# Altium PCB VIA6.2.PcbDoc (continued)
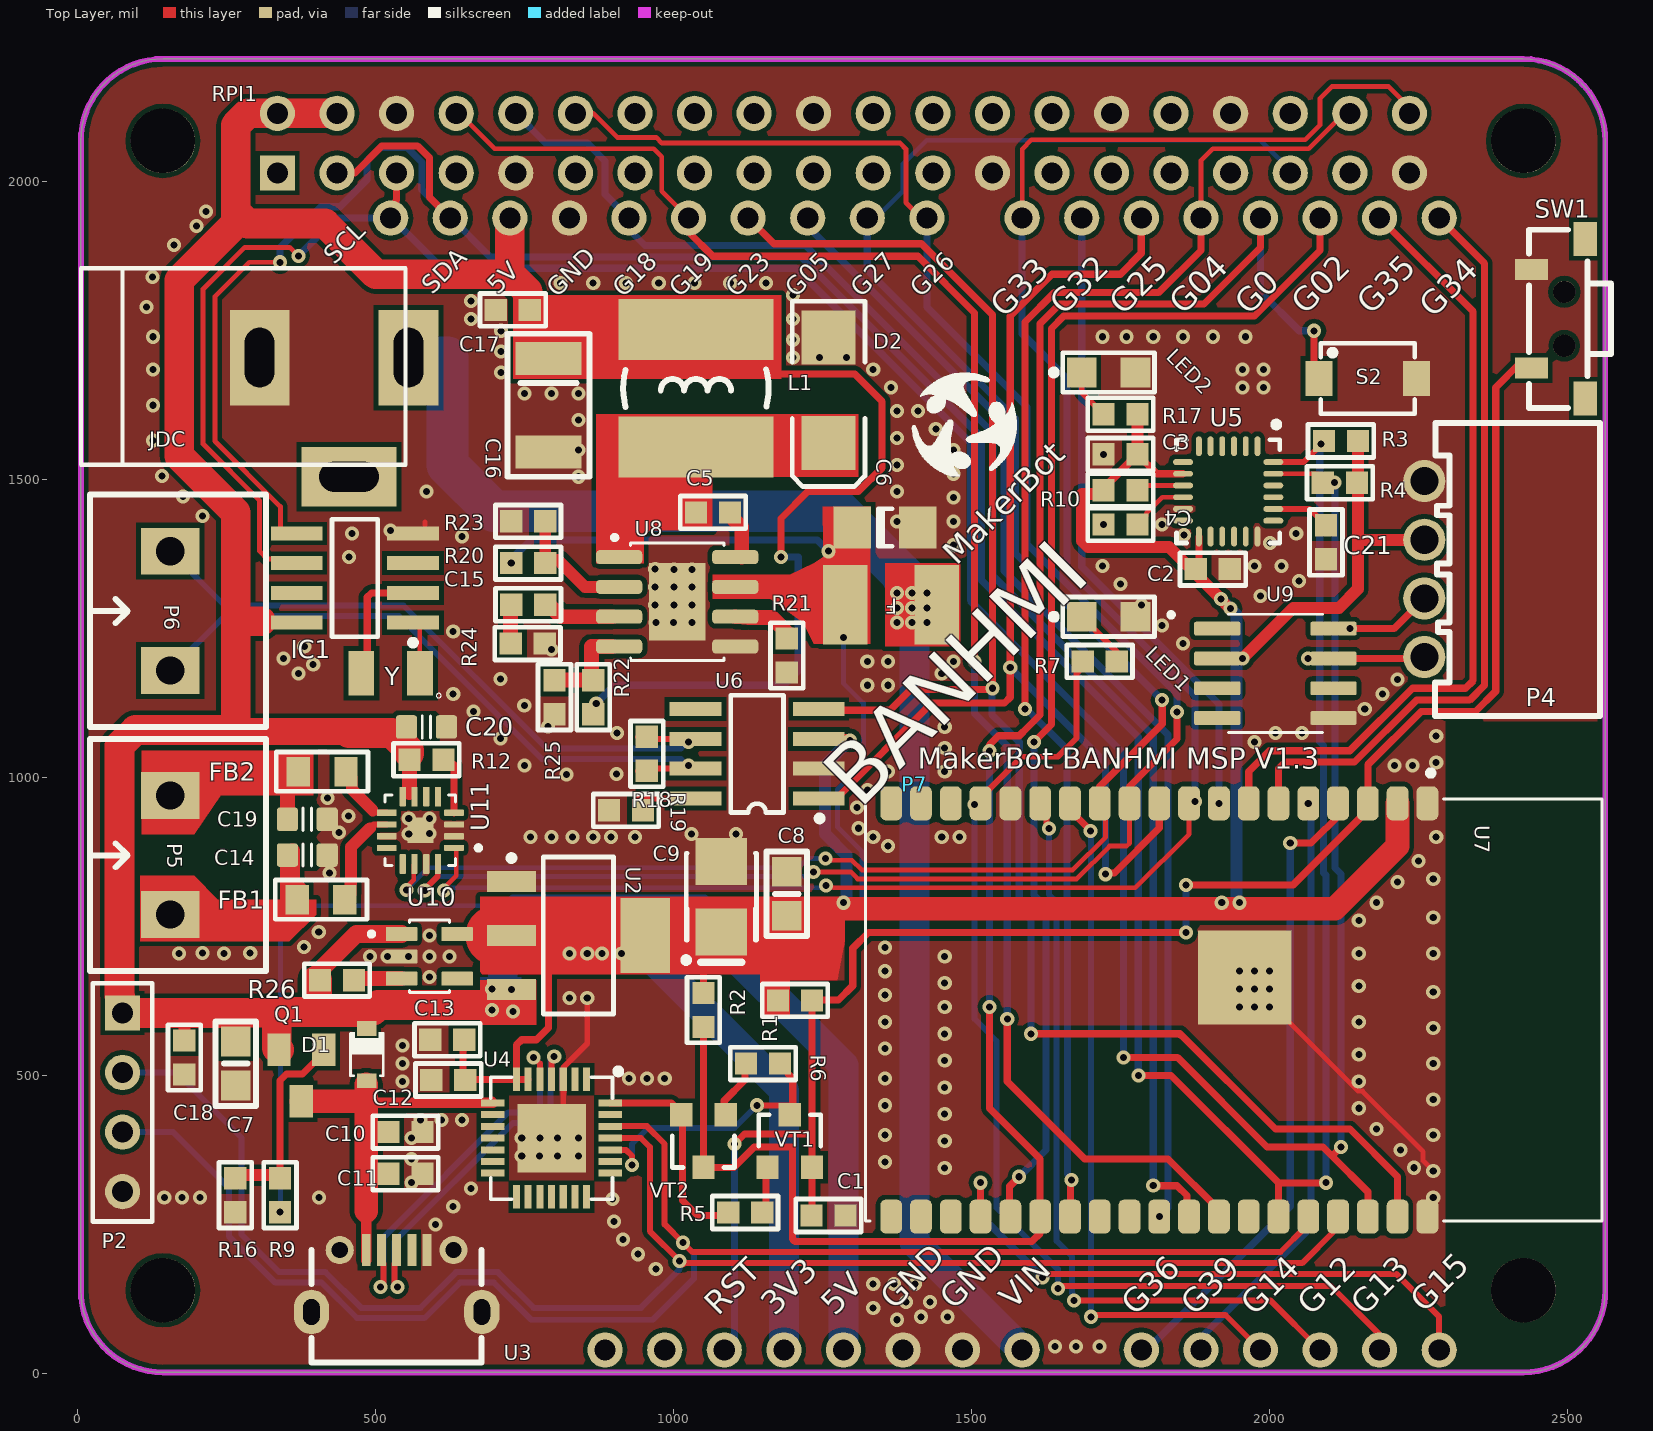
[diagram p0: Top Layer view]
## Part data
C1 C2 C4 C5 C10 C12 C15 C17 C21: library part CAP-SM-0603-X5R-10uF, "CAP SM 0603 X5R 10uF 10%"
C3 C11 C13 C18: library part CAP-SM-0603-X7R-100nF, "CAP SM 0603 X7R 100nF 10%"
C6: "Capacitor"
C7 C8: library part SMT_C_0805, "Surface mount capacitor 0805"
C9: library part SMT_C_Tantalum_B, "Capacitor, SM Tantalum; Body 3.5 x 2.8 mm (LxW typ)"
C14 C19 C20: library part "CAP C_0603", "Capacitor SMD Cer 470nF 10% 16V X7R 0603"
C16: library part "Cap Pol", "Polarized Capacitor (Axial)"
D1: library part SMT_DIODE_SCHOTTKY_SOD_323, "Surface mount schottky diode SOD-323(0805) Package"
D2: library part "D Schottky", "Schottky Diode"
F: "Polymeric PTC Resettable Fuse 13.2V 750mA Ih Surface Mount 1812 _4532 Metric_, Concave"
FB1 FB2: "Resistor SMD 0805"
IC1: "Real Timer Serial"
JDC: library part DCIN, "Jac DC input"
L1: library part Inductor
LED1 LED2: library part LED0805, "LED SMD 0805"
P2 P4: "Header, 4-Pin"
P5 P6: "Header, 2-Pin, Medium"
Q1: "P-Channel 30V 4A _Ta_ 1.4W _Ta_ Surface Mount SOT-23-3"
R1 R2 R3 R4 R5 R6 R9 R10 R16 R18 R19: library part RES-SM-0603-10K, "RES SM 0603 10K"
R7 R12: library part RES-SM-0603-1K, "RES SM 0603 1K"
R17 R20 R21 R22 R23 R24 R25 R26: library part RES-SM-0603-100K, "RES SM 0603 100K"
RPI1: library part "rpi connector", "GPIO Header for Raspberry Pi A+/B+/Pi 2/Pi 3 - 2x20"
S2: library part SMT_SW_PTS_820, "SMT Tactile ?Switch PTS 820 Series"
U2: library part NCP1117, "NCP1117, NCV1117. 1.0 A Low-Dropout Positive  Fixed and Adjustable  Voltage Regulators"
U3: "USB micro female SMT with 4 fixed foot"
U4: "Single-Chip USB to UART Bridge, 1024 Bytes EEPROM, -40 to 85 degC, 28-pin QFN, Tube"
U7: "Bluetooth, WiFi 802.11b/g/n, Bluetooth v4.2 + EDR, Class 1, 2 and 3 Transceiver Module 2.4GHz ~ 2.5GHz Antenna Not Included, I-PEX Surface Mount"
U8: "Buck Switching Regulator IC Positive Adjustable 0.8V 1 Output 3A 8-SOIC _0.154, 3.90mm Width_ Exposed Pad"
U9: "Real Time Clock _RTC_ IC Clock/Calendar I²C, 2-Wire Serial 8-SOIC _0.154, 3.90mm Width_"
U10: "Linear Voltage Regulator IC 1 Output 600mA SOT-25"
U11: "Amplifier IC 1-Channel _Mono_ Class D 16-TQFN _3x3_"
VT1 VT2: library part SMT_TRIODE_NPN, "Surface mount NPN transistor, package SOT-23"
Y: "32.768kHz ±10ppm Crystal 7pF 80 kOhms 2-SMD, No Lead"

## Free pads (board coordinates)
  round 108.27 hole 108.27: ""(142.8,139.49) ""(142.8,2068.62) ""(2426.26,139.49) ""(2426.26,2068.62)

## Via types
v1: diameter 23.62, hole 11.81, Top Layer to Bottom Layer, tented both sides, 312 vias
v2: diameter 23.62, hole 11.81, Top Layer to Bottom Layer, 25 vias
v3: diameter 23.62/23.62 (per signal layer), hole 11.81, Top Layer to Bottom Layer, 12 vias

## Nets (pads, with @x,y where several pads share a name; then routed paths per layer and width w, separated by ;. In a path a pad name is that pad's centre, name@x,y a point inside that pad or via, vN(x,y) a via of type N, cw(c..) or ccw(c..) an arc to the next point about the centre after c; other vN are vias at no path point)
3.3V: C2.2 C3.2 C8.1 C9.1 C12.2 C13.2 P4.2 P7.4 R1.2 R2.2 R3.2 R4.2 R10.1 R17.1 U2.2 U4.6 U4.7 U5.8 U5.13 U6.3 U7.2 U9.2 U10.5 | length 4974.3
  Top Layer w10: U4.7 U4.7@735.95,503.75
  Top Layer w12: C13.2@648.54,545 646.7,543.16 646.7,493.42 U4.7 U4.6 ; U4.7@735.95,503.75 735.95,550.95 745,560 770,560 790,580 790,680 ; R2.2 1050,680 ; C3.2 1811.1,1510 U5.8 ; C2.2@1881.57,1355.12 U5.13
  Top Layer w13: R10.1@1721.46,1485.47 C3.2
  Top Layer w20: U6.3 1245.16,1063.19 1293.87,1063.19 1294.67,1062.39 v1(1295.65,1062.39) ; R10.1@1714.6,1475.7 1685.76,1475.7 1685.76,1396.82 1695.71,1386.86 1831.69,1386.86 v1(1918.54,1300) ; C3.2 R17.1 ; v1(1955,1200) 2040,1285 2116.94,1285 2148.54,1316.6 2148.54,1399.15 2148.54,1495 R3.2@2148.54,1563.54 ; 2154.15,1399.15 P4.2
  Top Layer w25: U2.2@952.2,735 U2.2@960,727.2
  Top Layer w40: 1260,780 2110,780 2215.2,885.2 U7.2
  Top Layer w100: U2.2@700.5,735 727.8,735 825,735 ; U2.2@925,735 952.2,735 1195,735
  Bottom Layer w20: v2(1285,790) 1285,790.98 1290,795.98 1290,870 1254,906 1254,1020.74 v1(1295.65,1062.39) ; v1(1918.54,1300) v1(1935,1283.54) 1945,1273.54 1945,795 v1(1950,790) v1(1920,790)
  Bottom Layer w50: v1@820,705 v1(825,705) v1(855,705) v1(880,705) v1(912.83,705) 955,705 1185,475 P7.4
5V: C7.1 C16.1 C17.1 C18.1 C20.1 D1.2 IC1.8 L1.2 P2.1 P7.5 P7.30 Q1.2 R12.1 R22.1 R26.2 RPI1.2 RPI1.4 U2.3 U10.1 U11.7 U11.8 | length 6595.3
  Top Layer w8: v1(695,610) 710,610 720,620 722.5,622.5 725,620 730,615 v1(730,607.76) ; R22.1 865,1119.63 v1(870.07,1124.71)
  Top Layer w12: 165,605 178.71,591.29 ; 1170,1677.5 1303.89,1677.5 1350,1631.39 1350,1520 1310,1480 1225,1480 1180,1435 v1(1180,1370)
  Top Layer w20: C18.1 178.71,591.29
  Top Layer w25: 556.46,975 R12.1@556.46,1035
  Top Layer w30: R26.2@401.46,660 401.46,671.46 467.4,737.4 U10.1
  Top Layer w50: 307.5,1262.5 265,1262.5 ; Q1.2 334.76,546.15 333.87,546.15 333.87,605.14 ; R26.2@401.46,660 401.46,611.46 396.59,606.59 ; RPI1.4 RPI1.2 285,2115 265,2095 265,1950 ; 455,1075 526.77,1075 534.15,1067.62 556.06,1045.71 R12.1@556.06,1040.39 ; 674.76,618.1 504.3,618.1 495.5,609.3 477.7,609.3 475,606.59 396.59,606.59 ; v1@695,620 720,620 725,620 725.14,620 v1@730,615.14 ; 725,1845 P7.30 ; C16.1@785,1723.74 755,1753.74 ; L1.2@955.48,1739.52 941.25,1753.74 755,1753.74 ; 265,1262.5 265,1445 170,1540 170,1835 265,1930 265,1950 ; 265,1262.5 265,1080 96.53,1080 70,1053.47 70,633.7 70.47,633.23 70.47,609.53 P2.1 165,605 269.86,605 270,605.14 333.87,605.14 ; 265,1950 285,1930 415,1930 500,1845 725.71,1845 755,1815.71 755,1785 755,1753.74 ; 333.87,605.14 335.33,606.59 396.59,606.59
  Bottom Layer w8: v1(695,610) 710,625 710,627.5 711.17,627.5 730,608.67 v1(730,607.76)
  Bottom Layer w12: v1(870.07,1124.71) 900.43,1155.07 1185,1155.07 1209.08,1179.15 1209.08,1370 v1(1180,1370)
  Bottom Layer w50: 713,653 713,683 794,764 1038.08,764 1285,517.07 P7.5
  other v1: 727.8,644.45 695,645
485_N: C19.1 FB2.2 P5.2 | length 79.2
  Top Layer w25: C19.1 351.54,978.46 ; 361.32,982.86 362.81,984.35 362.81,1002.81 FB2.2
485_P: C14.1 FB1.2 P5.1 | length 153.5
  Top Layer w25: FB1.2@351.54,791.54 C14.1 ; C14.1@360,877.19 360,825.31 372.81,812.5 FB1.2@372.81,807.5
BCLK: P7.23 RPI1.12 U7.11 U11.16 | length 3246.3
  Top Layer w8: RPI1.12 865,2115 905.53,2074.47 970.53,2074.47 980,2065 1380,2065 1390,2055 1390,1965 P7.23@1420,1935 ; v1(1234.37,841.62) 1297.05,841.62 1308.67,830 1676.79,830 1731.79,885 1760,885 1765.2,890.2 U7.11
  Top Layer w10: v1(582.22,810.3) 582.22,812.41 602.62,832.81 ; 604.06,834.24 604.06,836.33 604.06,854.68 U11.16
  Top Layer w12: U7.11 1765.2,985.2 1845,1065 v1(1845,1110)
  Bottom Layer w8: v1(582.22,810.3) 582.22,811 605.04,833.81 1222.33,833.81 1230.14,841.62 v1(1234.37,841.62)
  Bottom Layer w12: P7.23 1425,1790 1593,1622 1593,1392.09 1845,1140.09 v1(1845,1110)
CAN_N: P6.2 R18.1 U6.6 | length 1109.8
  Top Layer w10: R18.1@940,1068.54 963.7,1068.54 967.24,1065 1025,1065 U6.6
  Bottom Layer w10: P6.2 246,1289 546.46,1289 786.46,1049 1012.33,1049 1023.33,1060 v1(1025,1060)
CAN_P: P6.1 R18.2 U6.7 | length 1109.8
  Top Layer w10: R18.2@940,1011.46 963.7,1011.46 967.24,1015 1025,1015 U6.7
  Bottom Layer w10: P6.1 246,1271 539,1271 779,1031 1012.33,1031 1023.33,1020 v1(1025,1020)
CAN_RX: P7.26 U6.4 U7.37 | length 2800.3
  Top Layer w12: P7.26 1168.21,1896 1415.87,1896 1535,1776.87 v1(1535,1150) 1533,1148 1398,1148 1363,1113 1245.35,1113 U6.4 ; v1(1600,570) 1850,570 ; 1850,568 1852,568 2010,410 2135.2,410 2215.2,330 U7.37
  Bottom Layer w12: v1(1535,1150) 1534.09,1149.09 1534.09,1105.91 1555.19,1084.81 1555.19,1084.72 1574.72,1065.19 1574.81,1065.19 1580.19,1059.81 1580.19,781 1600,761.19 v1(1600,570)
CAN_TX: P7.20 U6.1 U7.10 | length 1932.1
  Top Layer w12: U6.1 1273.13,965 1433.32,1125.19 1555.19,1125.19 1565,1135 v1(1565,1185) 1565,1775 1635,1845 1750,1845 1785,1880 P7.20 ; v1(1725,837.81) 1727.22,840.03 1740.03,840.03 1815.2,915.2 U7.10
  Bottom Layer w12: v1(1565,1185) 1725,1025 v1(1725,837.81)
D_N: U3.2 U4.5 | length 630.4
  Top Layer w10: v1(508.25,145) 513.25,150 513.25,184.25 509.5,188 U3.2@509.5,220 ; v1(765,530) 774.84,520.16 775.32,520.16 U4.5
  Bottom Layer w10: v1(508.25,145) 513.25,150 513.25,228.71 722.54,438 765,438 775.32,448.32 775.32,520.16
D_P: U3.3 U4.4 | length 637.3
  Top Layer w10: U3.3@535,220 535,188 531.25,184.25 531.25,150 v1(536.25,145) ; U4.4 v1@795,527
  Bottom Layer w10: v1(536.25,145) 531.25,150 531.25,221.25 730,420 772.46,420 793.32,440.86 793.32,525.77 v1(799.55,532)
DTR: R5.1 U4.28 VT2.2 | length 356.3
  Top Layer w12: U4.28 995.95,454.05 1015,435 1015,290 1040,265 R5.1@1086.46,265
GND: C1.1 C2.1 C3.1 C4.1 C6.2 C7.2 C8.2 C9.2 C10.1 C11.1 C12.1 C13.1 C14.2 C16.2 C17.2 C18.2 C19.2 C20.2 C21.1 D2.1 IC1.4 JDC.2 LED1.2 LED2.2 P2.4 P4.1 P7.6 P7.7 P7.29 R16.1 R19.1 R21.1 R23.2 R24.1 R25.2 RPI1.6 RPI1.9 RPI1.20 RPI1.25 RPI1.30 RPI1.34 RPI1.39 S2.2 SW1.2 U2.1 U3.5 U3.6 U3.7 U3.8 U3.9 U4.3 U4.29 U5.11 U5.18 U6.2 U7.1 U7.15 U7.38 U7.39 U8.5 U8.9 U9.5 U10.2 U11.2 U11.3 U11.11 U11.15 U11.17 | length 945.1
  Top Layer w8: v1(525.07,1414.71) 529.78,1410 574.81,1410 582.62,1417.81 582.62,1429.12 ; v1(555.33,931.01) U11.17@572.83,913.51 ; U11.17@557.95,905.25 563.28,905.25 569.52,911.5 U11.17 ; v1(590.33,931.01) 574.84,915.52 U11.17 ; U11.17@595.33,906.01 589.84,911.5 U11.17 ; R24.1 785,1225 v1(795,1215) ; v2(840,395) v2(805,394.99) ; U7.39 1976.42,646.42 2003.92,618.92 2149.04,473.79 2156.21,473.79 2257.83,372.17 2257.83,357.17 v1(2275,340) ; v2(805,394.99) U4.29 v2(805,394.99)
  Top Layer w10: U4.29@814.69,414.68 814.69,473.37 815,473.05 815,513.78 855,553.78 v1(855,630) ; C2.1 C2.1@1944.37,1360.83
  other v1: 1640,45 1675,45 1715,45 1375,90 1415,95 1460,95 1335,110 1390,120 1430,120 1335,150 1370,150 1405,150 970,175 940,200 915,225 600,250 900,255 630,280 897.36,292.64 145,295 175,295 205,295 405,295 2275,295 660,310 560,320 1455,345 2242.9,345.13 1355,355 560,360 2220,375 1455,390 560,395 1355,400 2275,400 2180,410 575,425 610,425 645,425 1455,435 2150,445 1355,450 2275,460 1455,480 545,490 2150,490 925,495 955,495 985,495 1355,495 545,520 2275,520 1455,525 2150,535 1355,545 545,550 1455,570 2275,580 1355,590 2150,590 1455,615 825,630 1355,635 2275,640 2150,650 1455,655 590,665 1355,675 490,700 520,700 555,700 590,700 623.46,700 1455,700 170,705 245,705 2150,705 2275,705 209.27,705.73 289.27,705.73 1355,715 379.27,715.73 590,735 404.27,740.73 2150,760 2275,765 2180,790 2215,825 2275,830 422.1,840.11 2250,860 1360,885 760,900 795,900 830,900 865,900 895,900 935,900 1335,900 1450,900 1480,900 2280,900 555.33,905.25 1030,905 1105,905 590.33,906.01 438.32,908.17 1310,915 454.27,935.73 1307.81,949.97 419.27,965.73 1325.32,979.06 820,1005 904.27,1005.73 1360,1010 1455,1010 750,1020 2210,1020 2240,1020 2280,1025 1455,1050 1975,1060 709.27,1065.73 2280,1070 905,1075 2010,1075 2055,1075 1455,1085 789.27,1085.73 664.27,1110.73 2160,1115 749.27,1120.73 630,1140 2190,1140 1325,1155 1360,1155 2215,1165 709.27,1165.73 370,1175 1450,1175 395,1190 1325,1195 1360,1195 1470,1195 345,1200 380,1220 1855,1225 630,1245 1820,1255 1785,1290 1985,1305 1750,1325 1720,1355 1975,1355 2020,1355 455,1370 1470,1390 645,1405 1856.93,1407.53 460,1410 1820,1425 1375,1430 1470,1430 209.02,1439.02 1470,1470 176.52,1471.52 585,1480 1375,1480 840,1505 141.52,1506.52 1470,1510 1375,1525 1721.46,1542.56 840,1550 1470,1550 126.19,1566.15 1375,1570 1440,1585 840,1600 1375,1615 1410,1615 126.19,1625 750,1645 795,1645 840,1645 1365,1655 1955,1655 1990,1655 710,1680 126.19,1685 1335,1685 1955,1685 1990,1685 1200,1705 1245,1705 1290,1705 710,1715 1200,1735 126.19,1740 1720,1740 1760,1740 1805,1740 1855,1740 1905,1740 1960,1740 710,1750 660,1770 1200,1770 115,1790 660,1800 1200,1810 810,1830 865,1830 920,1830 975,1830 1035,1830 1095,1830 1155,1830 125,1840 161.07,1893.93 199.02,1925.98 215,1950
  other v2: 745,365 775,365 805,365 840,365 745,395 775.32,395 1950,615 1975,615 2000,615 1950,645 1975,645 2000,645 1950,675 1975,675 2000,675 2050,1330 2000.67,1393.86 2045,1410 1721.46,1425
  other v3: 970,1260 1000,1260 1030.95,1260 969.05,1289.75 1000.64,1289.75 1030.95,1290.07 969.06,1320.07 1000.95,1320.07 1030.95,1320.07 1000.64,1349.2 1030.95,1349.2 969.06,1350.27
I2S_DIN: P7.19 RPI1.38 U7.26 | length 2305.2
  Top Layer w8: P7.19 1885,2035.61 1905,2055.61 2066.21,2055.61 2125,2114.39 RPI1.38@2125,2115
  Top Layer w12: v1(1589.81,1115) 1589.81,1764.81 1639,1814 1814,1814 1885,1885 P7.19 ; U7.26 1666.4,264.35 1666.4,323.25 v1(1667.6,324.45)
  Bottom Layer w12: v1(1589.81,1115) 1592.46,1115 1660,1047.46 1660,895 1660,799.04 1660.81,798.23 1660.81,334.39 1667.6,327.6 v1(1667.6,324.45)
I2S_DOUT: P7.22 RPI1.40 U7.9 U11.1 | length 3390.7
  Top Layer w8: v2(614.34,810.85) 614.34,814.68 635.07,835.42 635.07,880.65 633.76,881.97 U11.1 ; v1(1255.41,818.81) 1258.4,815.82 1267.09,815.82 1267.91,815 1775,815 1865.2,905.2 U7.9 ; P7.22 1585,2055 1600.61,2070.61 2060,2070.61 2085,2095.61 2085,2140 2105,2160 2200,2160 RPI1.40@2245,2115
  Bottom Layer w8: v2(614.34,810.85) 617.33,813.84 624.64,813.84 625.79,815 1247.37,815 1251.19,818.81 v1(1255.41,818.81)
  Bottom Layer w12: P7.22 1585,1745 1660,1670 1660,1351.96 1875,1136.96 v1(1875,960)
IO0: P7.18 R2.1 S2.1 U7.25 VT2.3 | length 3388.2
  Top Layer w12: R2.1@1050,591.46 VT2.3 1100.83,345.71 1135.12,380 1199.76,380 1199.76,225.24 1203.39,221.61 1601.61,221.61 1615.2,235.2 U7.25@1615.2,253.28 ; v1(1530,615) 1530,445 1615.2,359.8 U7.25 ; v1(1530,1045) 1530,1055 1545.28,1070.28 1580.19,1070.28 1594.72,1084.81 1615,1105.1 1615,1761.87 1648.13,1795 1890,1795 1985,1890 P7.18 ; S2.1@2075,1670.01 v1(2075,1750)
  Bottom Layer w12: v1(1530,615) v1(1530,1045) ; P7.18 1985,1815 2050,1750 v1(2075,1750)
IO2: P7.17 U7.24 | length 2100.5
  Top Layer w12: U7.24 1561,267.35 1561,274 1564,274 1564,314 v1(1580,330) ; v1(1605,1060) 1634,1089 1634,1754 1654.81,1774.81 1974.81,1774.81 2085,1885 P7.17
  Bottom Layer w12: v1(1580,330) 1624.81,374.81 1624.81,783.32 1605,803.13 v1(1605,1060)
IO5: P7.25 U7.29 | length 1933
  Bottom Layer w12: P7.25@1226.04,1940 1226.04,1923.96 1555,1595 1555,1346.64 1829.81,1071.83 1829.81,277.76 v1(1815.2,263.15)
IO12: P7.12 U7.14 | length 1305.6
  Top Layer w10: U7.14 1625.94,946.11 1625.94,921.77 1629.81,917.9 v1(1629.81,914.22) ; v1(1672.08,122.08) 2002.13,122.08 P7.12
  Bottom Layer w10: v1(1629.81,914.22) 1629.81,803.77 1642.81,790.77 1642.81,222.19 1668.81,196.19 1668.81,134.75 1669.48,134.09 1669.48,124.69 v1(1672.08,122.08)
IO13: P7.13 R7.1 U7.16 | length 1815.9
  Top Layer w10: U7.16 1515.2,966.02 1584.17,1035 1645,1035 1676.46,1066.46 1676.46,1175 R7.1@1686.46,1185 ; v1(1645,142.61) 1649.01,146.62 2103.38,146.62 2185,65 P7.13
  Bottom Layer w10: v1(1505,955) 1505,595 1542,558 1542,278 1645,175 v1(1645,142.61) ; P7.13@2178.23,45.98 P7.13
IO14: P7.11 U7.13 | length 1182.1
  Top Layer w8: U7.13@1665.2,945.67 U7.13 ; v1(1699.7,910.23) v1@1699.7,911.17
  Top Layer w10: v1@1703.81,98 1926.21,98 P7.11
  Top Layer w12: U7.13@1665.2,945.67 v1@1699.7,911.17
  Bottom Layer w10: v1(1699.7,910.23) 1700.81,909.11 v1(1700.81,95)
IO15: P7.14 U7.23 | length 1008.9
  Top Layer w10: v1(1619.34,161.2) 1624.57,166.43 2213.57,166.43 2285,95 P7.14
  Top Layer w12: U7.23@1510,268.35 1515,273.35 v1(1515,320)
  Bottom Layer w12: v1(1515,320) 1515,265.53 v1(1619.34,161.2)
IO18: P7.28 RPI1.10 U7.30 | length 2542.2
  Top Layer w12: v1(1805,315) 1845,315 1861.56,298.43 1861.56,266.78 U7.30
  Bottom Layer w12: RPI1.10 785,2065 855,2065 885,2035 885,1979.21 P7.28 925,1920 952,1893 1221.39,1893 1536,1578.39 1536,1338.77 1805,1069.77 v1(1805,315)
IO19: P7.27 RPI1.8 U7.31 | length 2823.7
  Top Layer w8: RPI1.8@650,2105 699.47,2055.53 966.47,2055.53 980,2042 980,1984.21 P7.27
  Top Layer w12: RPI1.8 RPI1.8@647.5,2102.5 ; P7.27 1025,1915.62 1065.62,1875 1410,1875 1505,1780 v1(1505,1195) ; v1(1560,595) 1560,490 1690,360 1830,360 1915.2,274.8 U7.31
  Bottom Layer w12: v1(1505,1195) 1505,1108.04 1560,1053.04 v1(1560,595)
IO21: IC1.5 P4.4 P7.31 R3.1 RPI1.3 U5.24 U7.33 U9.7 | length 5536
  Top Layer w8: v2(339.59,1865) 287.5,1865 230,1807.5 230,1565 340,1455 340,1417.81 347.81,1410 IC1.5 ; P4.4@2257.65,1200 P4.4
  Top Layer w10: U5.24 2057.6,1529.68 R3.1@2087.91,1560
  Top Layer w12: RPI1.3 465,2015 510,2060 570.33,2060 590,2040.33 590,1974.21 P7.31 ; v1(1780,500) 1835,500 2015.2,319.8 ; U7.33@2015.2,277.76 2015.2,319.8 ; v1@2095,319.8 2015.2,319.8 ; U9.7 P4.4@2257.65,1200
  Bottom Layer w12: v2(339.59,1865) 339.39,1865.19 339.39,1889.39 408.21,1958.21 439.77,1958.21 485,2003.44 485,2035 507.53,2057.53 552.62,2057.53 577.53,2032.62 577.53,1997.38 577.15,1997.01 577.15,1987.06 P7.31 ; P7.31@626.04,1940 692.04,1874 1213.52,1874 1517,1570.52 1517,1330.9 1779.81,1068.09 1779.81,500.19 v1(1780,500) ; v1(2065,1200) 2084.37,1200 ; v1@2085.69,1557.78 2085.69,1549.56 2084.37,1548.24 2084.37,1200 ; v1(2095,320) 2095,836.26 2091,840.26 2091,1053.91 2084.37,1060.54 2084.37,1200
  other v1: 2086.46,1560
IO22: IC1.6 P4.3 P7.32 R4.1 RPI1.5 U5.23 U7.36 U9.8 | length 5308.4
  Top Layer w8: IC1.6 360.79,1366.76 318.24,1366.76 305,1380 305,1465 210,1560 210,1820 280,1890 355.73,1890 v2(370,1875.73) ; U5.23@2018.88,1510 2077.07,1510 2077.37,1509.7 R4.1@2081.76,1509.7 ; R4.1 v1(2109.33,1495)
  Top Layer w12: P7.32 534,1948.22 534,1968.77 535,1969.77 RPI1.5 ; v1(1755,530) 1846,530 1996,380 2090,380 2105,365 ; U9.8 v1(2135,1250) 2209.25,1250 P4.3 ; v1(2120,380) 2105,365 ; U7.36 2165.2,304.8 2105,365
  Bottom Layer w12: v2(370,1875.73) 433.49,1939.21 P7.32 535,1949.21 RPI1.5 ; P7.32@526.04,1940 611.04,1855 1205.65,1855 1498,1562.65 1498,1297 1630.19,1164.81 1630.28,1164.81 1755.47,1039.62 1755,1039.16 v1(1755,530) ; 2110.36,1482.52 2110,1482.16 2110,1250 ; v1(2120,380) 2120,838.13 2110,848.13 2110,1250 ; v1(2135,1250) 2110,1250
IO27: P7.24 RPI1.35 U7.12 U11.14 | length 3392.6
  Top Layer w8: v1(551.27,811.6) 551.27,815.83 563.68,828.25 563.68,853.68 U11.14 ; v1(1254.82,864.43) 1257.81,861.44 1272.85,861.44 1299.23,861.44 1315.68,845 1670,845 1725,900 1725,947.05 U7.12
  Top Layer w12: U7.12 1715.2,985.2 1820,1090 v1(1820,1130)
  Bottom Layer w8: v1(551.27,811.6) 588.48,848.81 1209.3,848.81 1224.92,864.43 v1(1254.82,864.43) ; P7.24@1339.21,1939.21 1385,1985 1385,2030 1425,2070 1985,2070 RPI1.35@2045,2010
  Bottom Layer w12: P7.24@1339.21,1939.21 P7.24 1325,1851.87 1574,1602.87 1574,1376 v1(1820,1130)
IO32: P7.21 U7.8 | length 1091
  Bottom Layer w12: P7.21@1679,1950 1685,1944 1685,1353.83 1915.2,1123.63 v1(1915.2,956.85)
IO34: P7.15 U7.6 | length 1277.8
  Top Layer w12: U7.6 2015.2,1015.2 2026,1026 2142.87,1026 2246.87,1130 2336.14,1130 2361,1154.86 2361,1863.21 P7.15
IO35: P7.16 U7.7 | length 1334.8
  Top Layer w12: U7.7 1965.2,1010.2 2000,1045 2135,1045 2240,1150 2329.27,1150 2342,1162.73 2342,1782.21 P7.16
IO36: P7.9 U7.4 | length 1077.5
  Top Layer w12: v1(2035,890) 2070,890 2120,940 U7.4@2120,952.05
  Bottom Layer w12: P7.9 1795,49.21 1804.21,49.21 2035,280 v1(2035,890)
IO39: P7.10 U7.5 | length 996.3
  Bottom Layer w12: P7.10 1885,60 2070,245 2070,952.05 v1(2065.2,956.85)
LBK: U6.5
MPU_INT: U5.12
NetC4_2: C4.2 U5.10 | length 97.8
  Top Layer w8: C4.2 1793.24,1439.7 1793.24,1443.86 1820.02,1470.63 U5.10
NetC5_1: C5.1 D2.2 L1.1 U8.1 | length 115
  Top Layer w25: C5.1@1037.37,1440.11 L1.1
NetC5_2: C5.2 U8.8 | length 78.2
  Top Layer w25: C5.2@1094.5,1440.07 1114.22,1420.34 U8.8@1114.22,1370.07
NetC15_1: C15.1 R24.2 | length 64.1
  Top Layer w25: R24.2 C15.1@726.46,1289.11
NetC15_2: C15.2 U8.3 | length 122.1
  Top Layer w25: C15.2@785.95,1295.07 810.95,1270.07 U8.3@897.69,1270.07
NetC21_2: C21.2 U5.20 | length 99.8
  Top Layer w10: U5.20 2067.6,1450.94 C21.2
NetFB1_1: FB1.1 U11.10 | length 154.6
  Top Layer w10: 490,915 496.2,921.2 518.21,921.2 U11.10
  Top Layer w20: FB1.1@457.84,804.69 457.84,821.38 458.18,821.72 458.18,883.18 490,915
NetFB2_1: FB2.1 U11.9 | length 94.9
  Top Layer w10: 495,945 498.66,941.34 518.03,941.34 U11.9
  Top Layer w20: FB2.1@459.69,1000.31 459.69,980.31 495,945
NetIC1_1: IC1.1 Y.1 | length 247.5
  Top Layer w8: Y.1@570,1175 Y.1@573.82,1178.82 ; Y.1@570.25,1201.03 Y.1@581.56,1201.03 ; IC1.1@573.75,1260 573.82,1259.93 573.82,1206.03 573.82,1260 IC1.1@573.82,1264.93 ; IC1.1@573.82,1254.93 573.82,1196.03 IC1.1@573.82,1255
NetIC1_2: IC1.2 Y.2 | length 207.5
  Top Layer w12: Y.2@485.79,1175 485.79,1302.97 492.82,1310 IC1.2
NetLED1_1: LED1.1 R7.2 | length 109.2
  Top Layer w10: LED1.1 1743.54,1211.46 R7.2@1743.54,1185
NetLED2_1: LED2.1 R17.2 | length 85.1
  Top Layer w10: LED2.1 1685,1646.46 R17.2
NetQ1_1: Q1.1 R9.1 R16.2 | length 344.5
  Top Layer w12: R9.1 339.27,332.63 339.27,491.6 349.93,502.25 377.25,502.25 412.4,537.4 Q1.1@412.4,548.31
  Top Layer w20: R16.2@261.75,332.63 R9.1@339.27,332.63
NetR5_2: R5.2 VT1.1 | length 88.6
  Top Layer w12: R5.2@1143.54,265 1155,276.46 1155,338.11 VT1.1@1162.6,345.71
NetR6_2: R6.2 VT2.1 | length 91
  Top Layer w12: VT2.1 1087.4,449.29 1085,446.89 1085,457.56 1120,492.56 R6.2@1120,505
NetR10_2: R10.2 U5.9 | length 69.1
  Top Layer w8: R10.2 R10.2@1778.86,1482.87 ; R10.2@1786.3,1490.31 U5.9
NetR12_2: R12.2 U11.4 | length 81.2
  Top Layer w12: U11.4 R12.2@631.34,1022.2
NetR20_2: R20.2 R23.1 U8.2 | length 201.8
  Top Layer w20: R20.2 R20.2@784.5,1365.07 ; R23.1 R20.2@784.5,1365.07 ; U8.2@897.69,1320.07 850.95,1320.07 805.95,1365.07 R20.2@784.5,1365.07
NetR21_2: R21.2 U8.6 | length 104.1
  Top Layer w25: U8.6 1125.95,1268.61 1164.93,1268.61 R21.2@1195,1238.54
NetR22_2: R22.2 R25.1 U8.4 | length 151.2
  Top Layer w25: R25.1 R22.2@859.82,1163.54 ; 862.41,1218.61 862.41,1166.13 R22.2 ; 862.41,1220.07 U8.4@897.69,1220.07
NetR26_1: R26.1 U10.3 | length 80.6
  Top Layer w25: R26.1@458.54,660 R26.1@460.94,657.6 ; R26.1@466.14,662.6 U10.3
OTG_ID: U3.4
RESET: C1.2 P7.3 R1.1 SW1.1 U7.3 VT1.2 | length 2889.7
  Top Layer w12: v1(1102.17,385) 1118.77,401.61 1228.12,401.61 1232.31,405.79 ; R1.1 1232.31,405.79 ; C1.2@1232.4,265.95 VT1.2 1232.31,345.8 1232.31,405.79 ; R1.1@1233.88,626.46 1276.46,626.46 1300.56,650.56 1300.56,713.67 1326.89,740 v1(1860,740) ; v1(1860,820) 2040,820 2165.2,945.2 U7.3 2165.2,1021.46 2254.74,1111 2346,1111 2380,1145 2380,1655 SW1.1@2420,1695
  Bottom Layer w12: P7.3@1102.17,56.12 v1(1102.17,385) ; v1(1860,740) v1(1860,820) ; v1@1860.73,735.35 v1@1865,739.63
RS: R19.2 U6.8 | length 98.1
  Top Layer w10: 938.54,965 U6.8
RTS: R6.1 U4.24 VT1.3 | length 488.1
  Top Layer w10: U4.24 919.69,375.31 930,365 v1(930,350) ; v1(1140,450) VT1.3@1200,450
  Top Layer w12: R6.1@1170,520 1190,520 1182.5,512.5 1200,495 VT1.3@1200,450
  Bottom Layer w10: v1(930,350) 930,384.99 956.89,411.88 1101.88,411.88 v1(1140,450)
RXD0: P2.3 U4.26 U7.34 | length 2632.9
  Top Layer w10: U4.26@893.75,415 955,415 985,385 985,250 v1(1015.72,219.28) 1031.39,203.61 2018.61,203.61 U7.34@2060.2,245.2
  Bottom Layer w10: P2.3 160,405 253.42,311.58 253.42,230.32 331.34,152.4 409.2,152.4 468.6,93 582.04,93 641.44,152.4 698.56,152.4 760.96,90 965,90 1033.81,158.81 1033.81,201.19 v1(1015.72,219.28)
TXD0: P2.2 U4.25 U7.35 | length 2721.1
  Top Layer w10: U4.25 945.01,394.99 960,380 960,238.66 v1(1010,188.66) 1010,187.38 1015,182.38 1017.63,185.01 1629.2,185.01 2055,185 2110.2,240.2 U7.35@2110.2,265
  Bottom Layer w10: P2.2 165,505 275,395 275,232.79 337.79,170 415.64,170 475.64,110 575,110 635,170 705,170 765,110 945,110 1010,175 v1(1010,188.66)
VBUS: C10.2 C11.2 D1.1 Q1.3 U3.1 U4.8 | length 576
  Top Layer w18: U3.1@484,190 484,272.44 ; 504.27,454.27 U4.8@696.58,454.27 ; U4.8@693.1,454.46 U4.8@694.74,456.1
  Top Layer w40: Q1.3 461.31,456.69 ; 484,272.44 484,456.69 D1.1@484,485.1
VIN: C6.1 F.2 R9.2 R20.1 U8.7 | length 2553.3
  Bottom Layer w8: v1@340,270 340,735 389.93,784.93 713.92,784.93 728.99,800 1052.99,800 1085.79,767.19 1307.19,767.19 1316,776 1316,876.14 1275,917.14 1275,980.3 1318.46,1023.76 1318.46,1125.13 1285,1158.59 v1(1285,1235)
  Bottom Layer w12: v1(727.41,1360.07) 727.41,1366.41 760,1399 1241,1399 v1(1260,1380)
  other v1: 339.27,270.54
VIN_N: F.1 JDC.1 P7.8 | length 2454.7
  Bottom Layer w25: 1365,1325 1384.5,1344.5 ; v1(1400,1310) v1@1400,1320 ; 1402.47,1322.47 1409.5,1329.5
  Bottom Layer w50: v1@1404.5,1260 1404.5,219.71 P7.8
  Bottom Layer w70: JDC.1 620.37,1705 620.37,1524.63 698,1447 1277.93,1447 1402.47,1322.47
  other v1: 1375,1260 1400,1260 1425,1260 1375,1285 1400,1285 1425,1285 1375,1310 1425,1310
pads on no net: C14.0 C19.0 C20.0 IC1.3 IC1.7 JDC.3 P7.1 P7.2 RPI1.1 RPI1.7 RPI1.11 RPI1.13 RPI1.14 RPI1.15 RPI1.16 RPI1.17 RPI1.18 RPI1.19 RPI1.21 RPI1.22 RPI1.23 RPI1.24 RPI1.26 RPI1.27 RPI1.28 RPI1.29 RPI1.31 RPI1.32 RPI1.33 RPI1.36 RPI1.37 S2.MH1 S2.MH2 SW1. SW1.3 SW1.4 U4.1 U4.2 U4.9 U4.10 U4.11 U4.12 U4.13 U4.14 U4.15 U4.16 U4.17 U4.18 U4.19 U4.20 U4.21 U4.22 U4.23 U4.27 U5.1 U5.2 U5.3 U5.4 U5.5 U5.6 U5.7 U5.14 U5.15 U5.16 U5.17 U5.19 U5.21 U5.22 U7.17 U7.18 U7.19 U7.20 U7.21 U7.22 U7.27 U7.28 U7.32 U9.1 U9.3 U9.4 U9.6 U10.4 U11.5 U11.6 U11.12 U11.13

## Polygon pours and split planes (outlines as drawn)
GND on Top Layer "Bottom Layer-No Net" (solid, remove dead copper, pour order 18): 10,2195 2575,2195 2575,-15 10,-15
3.3V on Top Layer "Bottom Layer-No Net" (solid, remove dead copper, pour order 2): 1219,795 1287.56,795 1287.56,726.44 1287.56,710.12 1287.56,660 1215,660 1200,660 1195,660 1195,597.56 1150,597.44 1145,597.44 1145,615 1145,670 675,670 675,795
GND on Bottom Layer "Bottom Layer-No Net" (solid, remove dead copper, pour order 0): -8.77,2201.05 2556.23,2201.05 2556.23,-8.95 -8.77,-8.95

## Keep-outs
Keep-Out Layer:
  the board outline again, w10

## Other copper
Top Layer:
  rectangle net 5V: 675,585 770,660
  region net VIN_N: 1481.83,1220 1481.83,1360 1355,1360 1355,1220
  rectangle net 5V: 730,1669.04 1180.95,1810
  rectangle net 5V: 220,1055 465,1100
  pour cut-out: 1878,1537.05 1980.96,1540 1980.96,1429.33 1876.89,1429.33
  region net 3.3V: 1920.6,1310.4 1945.54,1283.73 1933.43,1273.43 1931.26,1273.43 1905,1300
  pour cut-out: 2565,0 2300,0 2295,5 2295,1095 2305,1095 2320,1095 2565,1095
  pour cut-out: 858.9,1656.91 1189.7,1656.91 1189.7,1615.07 858.9,1615.07 858.9,1635
  region net NetC5_1: 870,1610 1310,1610 1310,1505 1065.01,1505 1065.01,1415 960,1415 950,1405 950,1360 890,1360 870,1360 870,1370 870,1480 870,1495
  region net 3.3V: 675,800 1287.56,800 1287.56,726.44 1275,660 1195,660 1195,597.56 1151.05,597.56 1145,603.61 1145,670 678.73,670 675,673.73
  region net VIN: 1330,1225 1330,1455 1262,1455 1250.43,1455 1250.43,1440 1251.65,1371.1 1235,1360 1195,1340.87 1065.63,1340.87 1065.63,1300 1162.34,1300 1217.56,1260.12 1235,1225
  pour cut-out: 1338.16,1368.3 1333.63,1214.23 1349.23,1214.23 1346.84,1363.38 1351.76,1368.3
  region net 485_N: 106.79,1045 240,1045 395,1045 395,970 240,970 195,905 106.79,905
  region net 485_P: 105,725 355,725 400,770 400,795 235,795 195,835 105,835
Bottom Layer:
  rectangle net 5V: 675,590 745,665
  region net VIN_N: 1441.77,1245 1441.77,1329.93 1360,1329.93 1360,1245
  pour cut-out: 1878,1430 1980.96,1430 1980.96,1540 1878,1540
  pour cut-out: 900,1803.23 900,1500 1175,1500 1175,1803.23
  pour cut-out: 2565,0 2300,0 2295,5 2295,1095 2305,1095 2320,1095 2565,1095

## Silkscreen, mask and mechanical layers (free items; w line width, h text height)
Top Overlay:
  drawing of 457 lines, arcs and shapes, not listed
  text "SCL" at 430,1860 h30 r45
  text "SDA" at 595,1810 h30 r45
  text "5V" at 705,1810 h30 r45
  text "GND" at 805,1805 h30 r45
  text "G18" at 915,1805 h30 r45
  text "G19" at 1010,1805 h30 r45
  text "G23" at 1105,1805 h30 r45
  text "G05" at 1205,1805 h30 r45
  text "G27" at 1315,1805 h30 r45
  text "G26" at 1415,1805 h30 r45
  text "G32" at 1654.81,1774.81 h40 r45
  text "G25" at 1755,1774.81 h40 r45
  text "G04" at 1855,1775 h40 r45
  text "G0" at 1965,1774.81 h40 r45
  text "G02" at 2060,1775 h40 r45
  text "G35" at 2170,1775 h40 r45
  text "G33" at 1555,1770 h40 r45
  text "G34" at 2275,1770 h40 r45
  text "MakerBot" at 1475,1355 h40 r45
  text "MakerBot BANHMI MSP V1.3" at 1410,1015 h35
  text "BANHMI" at 1312.05,945 h100 r45
  text "GND" at 1370,105 h40 r45
  text "GND" at 1470,105 h40 r45
  text "VIN" at 1570,105 h40 r45
  text "G15" at 2260,100 h40 r45
  text "RST" at 1075,95 h40 r45
  text "3V3" at 1170,95 h40 r45
  text "5V" at 1270,95 h40 r45
  text "G36" at 1775,95 h40 r45
  text "G39" at 1875,95 h40 r45
  text "G14" at 1975,95 h40 r45
  text "G12" at 2070,95 h40 r45
  text "G13" at 2160,95 h40 r45
Bottom Overlay:
  drawing of 463 lines, arcs and shapes, not listed
  text "MakerHanoi" at 686.34,623.66 h60 r30